# Altium PCB host_board.PcbDoc (part 2 of 7) (continued)
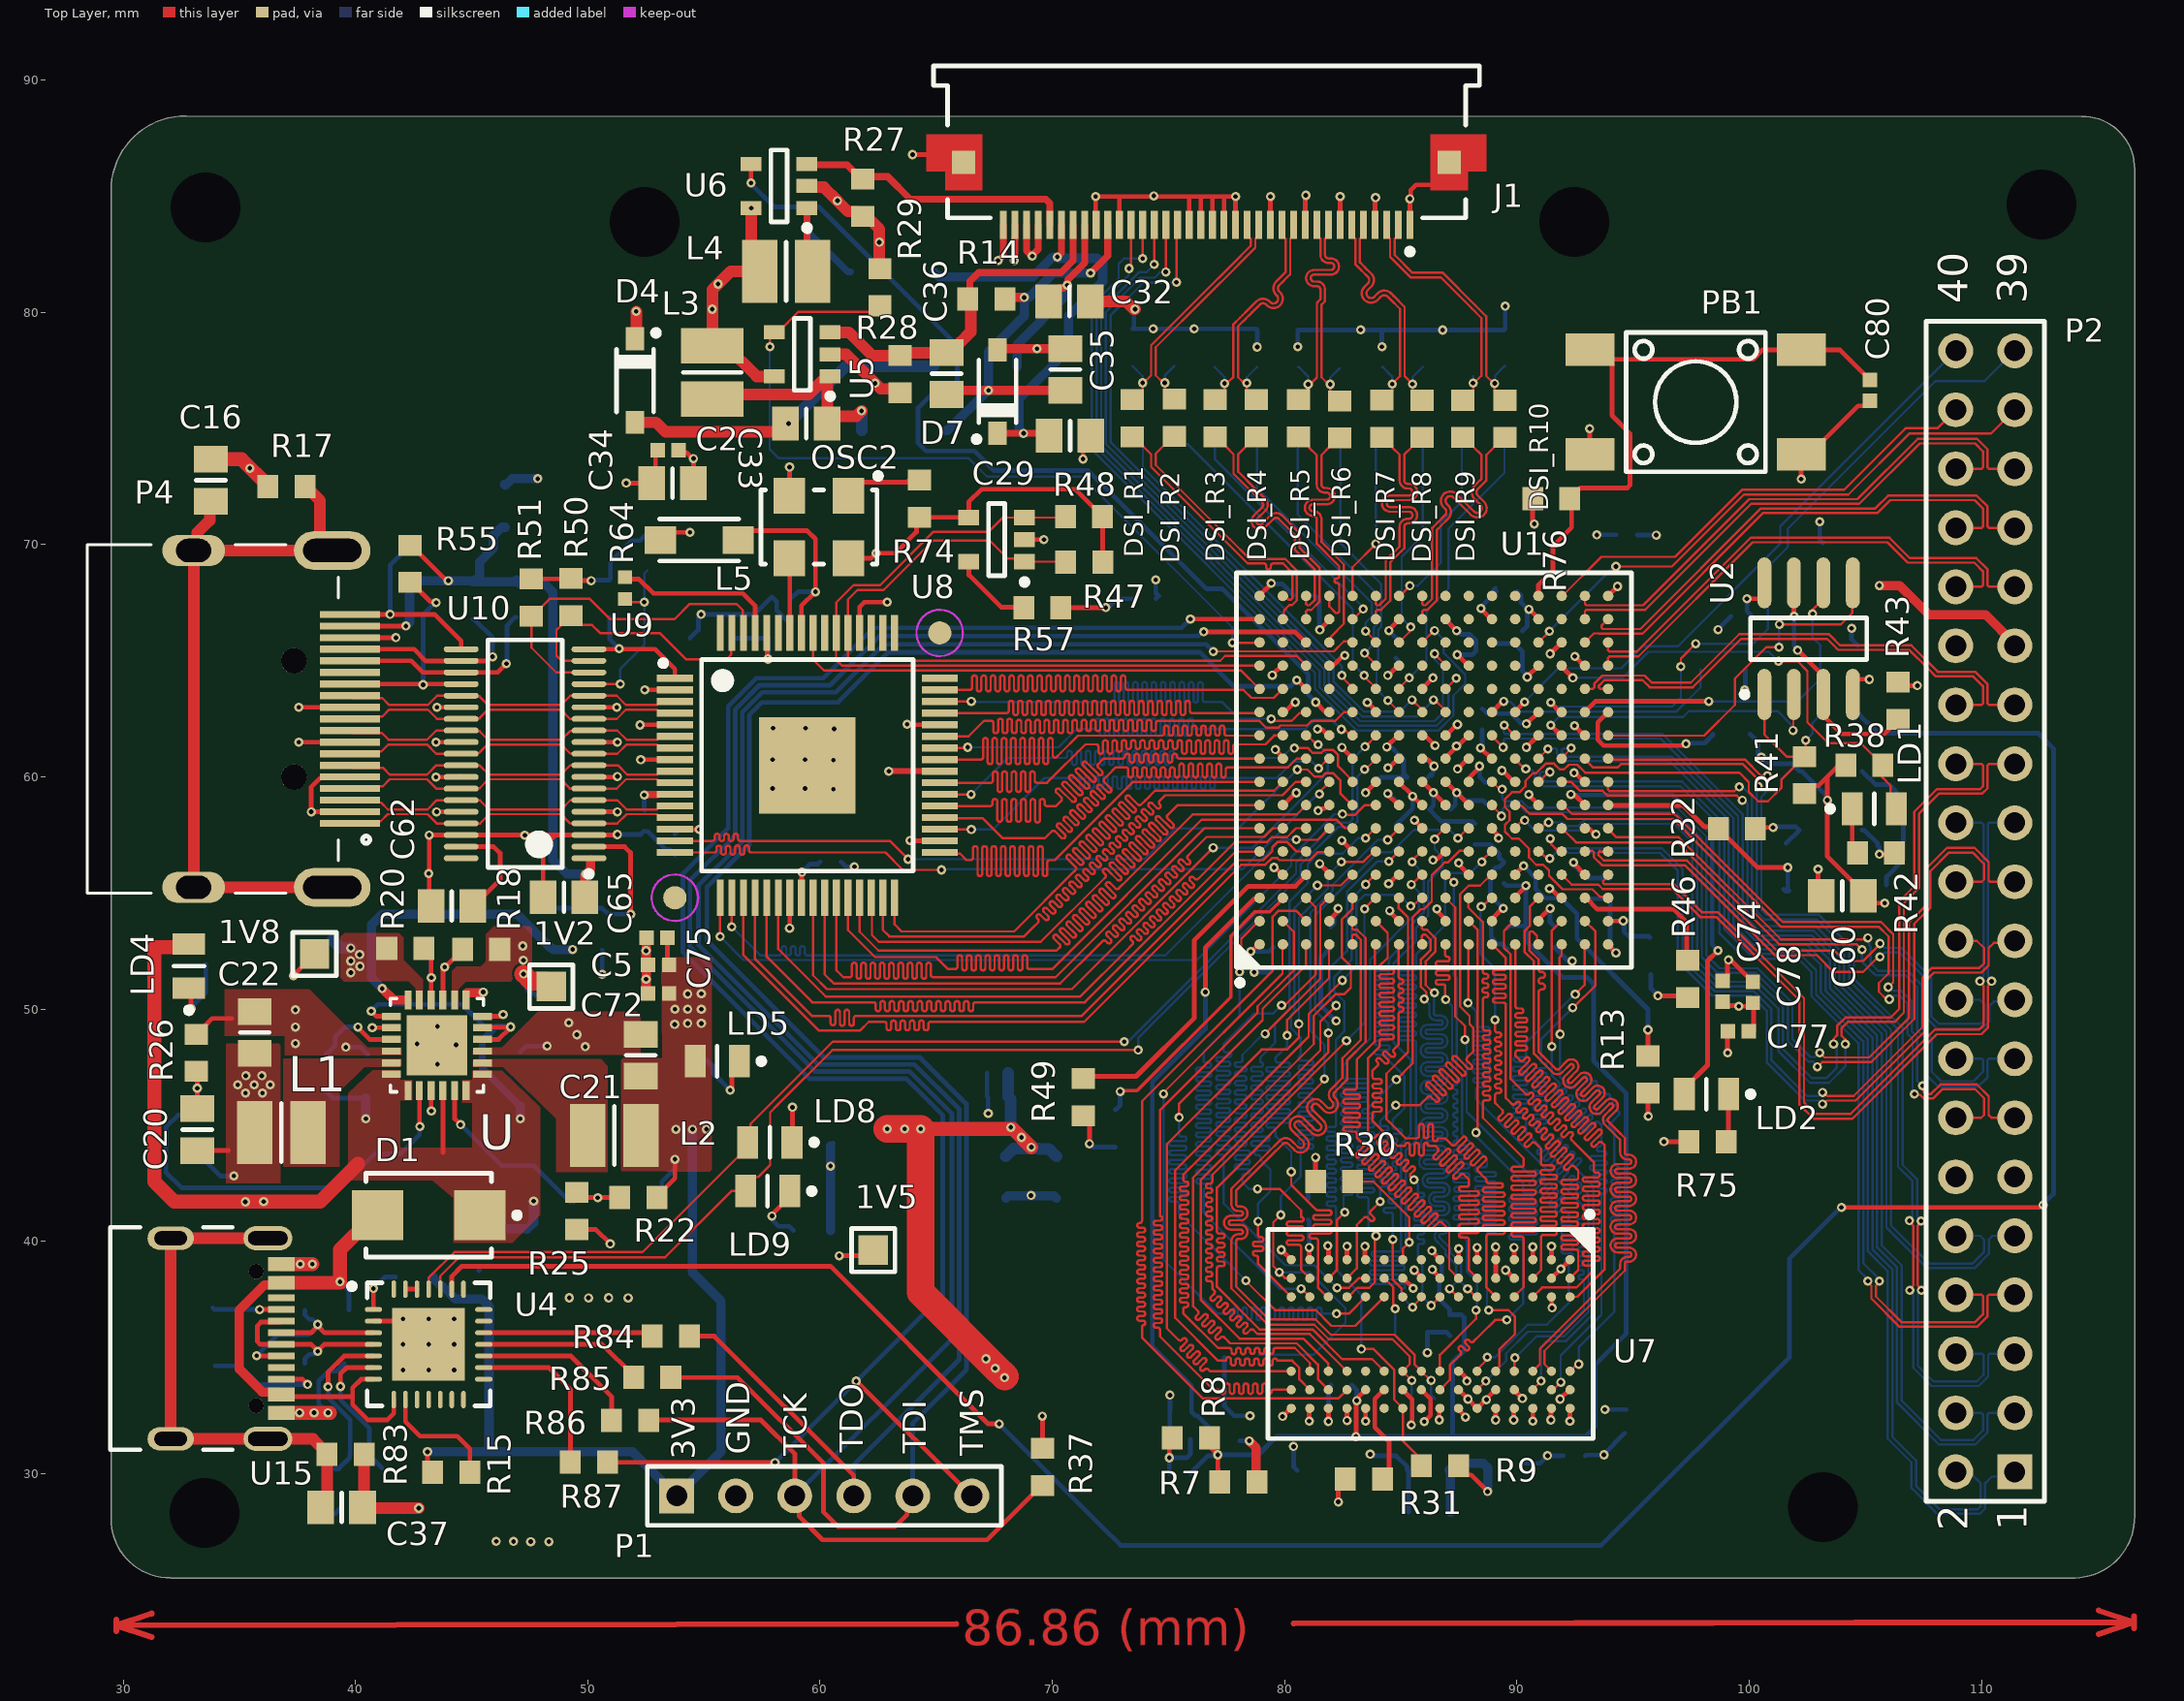
[diagram p0: Top Layer view]
## Nets (pads, with @x,y where several pads share a name; then routed paths per layer and width w, separated by ;. In a path a pad name is that pad's centre, name@x,y a point inside that pad or via, vN(x,y) a via of type N, cw(c..) or ccw(c..) an arc to the next point about the centre after c; other vN are vias at no path point) (continued)
  other v1: 34.77,42.83 35.27,46.39 35.995,46.39 35.28,47.14 35.97,47.14 90.508,67.223 90.737,70.893
3V3: C2.2 C3.2 C5.2 C12.2 C19.2 C21.2 C26.2 C28.2 C34.2 C38.2 C41.2 C42.2 C44.2 C45.2 C53.2 C55.2 C60.2 C72.2 C74.2 C75.2 C76.2 C77.2 C78.2 J1.35 J1.36 L2.2 L3.1 L4.1 LD5.2 OSC1.4 OSC2.4 P1.1 P2.29 R15.1 R16.2 R22.2 R34.1 R35.2 R36.1 R37.2 R38.2 R40.2 R41.2 R43.2 R45.2 R46.2 R47.2 R48.2 R50.2 R51.2 R52.2 R53.2 R58.2 R74.2 U1.B4 U1.B9 U1.B13 U1.D7 U1.D10 U1.E5 U1.F8 U1.F11 U1.G10 U1.H6 U1.J10 U1.L6 U1.L9 U1.N7 U1.N10 U1.R4 U1.R8 U2.8 U5.5 U6.5 U8.4 U9.5 U9.8 U9.11 U9.23 U9.34 U9.44 U.24 | length 302.5
  Top Layer w0.2: v1(43.1,30.95) 43.1,30.3 R15.1@43.325,30.075 ; R51.2@47.575,68.525 49.25,68.525 R50.2@49.275,68.55 49.375,68.45 v1(50.15,68.45) ; v1@52.24,62.25 53.738,62.25 U9.5@53.75,62.262 ; v1@52.3,60.76 52.31,60.75 U9.8@53.75,60.75 ; R22.2@52.971,41.9 52.971,41.95 53.75,42.729 v1(53.75,43.54) ; C75.2@53.425,53.084 53.425,51.986 C5.2@53.5,51.911 ; U9.5@53.75,62.25 U9.5@53.75,62.262 ; U9.5@53.753,62.266 U9.5@53.75,62.262 ; C2.2@53.86,73.97 54.243,73.97 54.503,73.71 v1(54.55,73.71) C34.2@54.55,72.65 ; v1(58.685,53.493) 58.693,53.501 58.693,54.793 U9.23@58.7,54.8 ; OSC2.4@61.62,69.01 OSC2.4@61.22,69.41 62.181,69.41 v1(62.406,69.635) 63.235,69.635 64.147,70.547 64.147,71.047 R74.2@64.28,71.18 66.389,71.18 U8.4@66.4,71.169 66.4,71.84 66.95,72.39 70.979,72.39 71.76,71.609 71.81,71.609 72.16,71.259 R48.2@72.16,71.209 72.16,69.259 R47.2@72.17,69.249 ; v1(63.748,62.266) 63.764,62.25 U9.44@65.15,62.25 ; v1@63.88,57.25 U9.34@65.15,57.25 U9.34@65.1,57.2 ; R37.2@69.575,31.1 v1@69.575,32.485 ; v1@79.46,64.39 79.863,64.793 U1.B13@79.92,64.793 ; v1(79.542,56.107) 79.574,56.107 79.888,55.793 U1.B4@79.92,55.793 ; v1@79.59,61.186 79.92,60.856 U1.B9@79.92,60.793 ; v1(81.41,62.06) 81.41,62.033 81.43,62.013 81.468,62.052 81.594,62.052 81.852,61.793 U1.D10@81.92,61.793 U1.D10@81.967,61.793 ; v1(81.439,58.55) 81.493,58.55 81.583,58.64 81.699,58.64 81.852,58.793 U1.D7@81.92,58.793 ; v1@82.48,57.245 U1.E5@82.905,56.82 ; v1@83.48,59.33 83.92,59.77 U1.F8@83.92,59.793 ; v1@83.55,63.22 83.92,62.85 U1.F11@83.92,62.793 ; v1@84.389,61.305 84.877,61.793 U1.G10@84.92,61.793 ; v1(85.583,58.141) U1.H6@85.905,57.82 ; U1.J10@86.92,61.793 86.944,61.793 v1@87.417,62.266 ; v1(88.424,61.255) U1.L9@88.899,60.78 ; U1.L6@88.905,57.82 88.905,57.752 89.167,57.491 89.167,57.408 v1(89.205,57.37) ; v1(90.399,61.28) U1.N10@90.899,61.78 ; v1@90.43,59.245 90.48,59.245 U1.N7@90.905,58.82 ; v1(92.43,56.32) 92.43,56.295 92.436,56.295 92.92,55.811 U1.R4@92.92,55.793 ; v1@92.449,60.23 92.477,60.202 U1.R8@92.899,59.78 ; v1(96.06,50.58) 97.274,50.58 R46.2@97.349,50.505 ; C74.2@98.849,50.326 99.02,50.155 99.549,50.155 99.574,50.13 100.002,50.13 C78.2@100.149,50.277 100.184,50.242 C77.2@100.184,49.047 ; v1(99.894,67.673) 100.459,67.673 100.644,67.858 U2.8@100.644,68.355 ; R41.2@102.374,59.28 102.724,59.63 102.974,59.63 103.358,60.014 ; R38.2@104.124,60.78 103.358,60.014 ; v1(105.824,54.568) 105.21,54.568 C60.2@104.899,54.88 104.899,55.03 103.983,55.946 103.358,56.571 v1(103.358,59.001) 103.358,60.014 ; R43.2@106.4,64.08 106.254,63.934 v1(107.23,63.934)
  Top Layer w0.3: v1(52.43,59.225) 52.446,59.241 53.028,59.241 53.037,59.25 U9.11@53.75,59.25 ; v1@67.66,82.234 67.885,82.459 J1.36@67.885,83.768 ; v1(68.355,82.234) 68.374,82.253 68.374,82.324 68.38,82.329 68.38,83.225 68.385,83.23 J1.35@68.385,83.768
  Top Layer w0.4: v1(41.15,50.895) 41.639,50.406 U.24@42.213,50.406 ; C72.2@53.425,50.758 C72.2@53.5,50.683 ; v1(105.599,68.244) 106.469,68.244 107.724,66.99 110.164,66.99 111.424,65.73 P2.29@111.424,65.647
  Top Layer w0.5: v1(57.035,84.493) 57.035,82.127 L4.1@57.394,81.768 56.154,81.768 v1(55.609,81.223) 55.36,80.973 v1(55.36,80.138) L3.1@55.36,78.563 55.95,78.563 57.27,77.243 U5.5@58.035,77.243
  Top Layer w0.6: v1(64.328,44.85) 68.302,44.85 v1(69.091,44.062)
  Top Layer w1.2: v1(62.893,44.85) v1(63.64,44.85) v1(64.328,44.85) 64.328,37.812 67.567,34.573 v1@67.953,34.187
  Power w0.8: 59.51,82.26 59.52,82.25 68.14,82.25 ; 68.13,82.459 68.13,86.371 68.599,86.84 94.46,86.84 98.8,82.5 98.8,71
  Power w1.2: v1@53.8,44.85 v1(62.893,44.85) v1(63.64,44.85) v1@64.32,44.85 ; v1(67.14,34.95) 67.15,34.95 74.42,27.68 93.96,27.68 97.17,30.89 97.17,41.14 100.558,44.528 100.558,49.955 100.59,49.987
  Bottom Layer w0.2: v1(50.15,68.45) 50.15,68.496 50.171,68.475 R53.2@50.925,68.475 50.98,68.53 50.98,69.26 51.898,70.178 52.248,70.178 R52.2@52.56,70.49 ; v1(52.43,59.225) C76.2@52.43,58.58 C76.2@52.457,58.553 ; C19.2@53.132,41.668 53.185,41.721 53.185,42.575 53.75,43.14 v1(53.75,43.54) ; v1(83.484,59.323) 84.151,59.99 C3.2@85.27,59.99 85.12,60.14 85.12,60.75 C44.2@84.97,60.9 84.61,61.26 84.431,61.26 v1(84.393,61.298) ; v1(88.424,61.255) 88.424,61.309 88.5,61.385 C55.2@88.5,62.04 ; v1(92.43,56.32) 92.468,56.282 92.468,56.173 C42.2@92.981,55.66 92.996,55.645 C12.2@94.005,55.645 ; C45.2@95.17,70.43 95.18,70.42 v1@95.99,70.42 ; R34.1@95.764,51.505 95.764,50.89 96.06,50.594 v1(96.06,50.58) ; v1(99.799,63.755) 99.824,63.78 R36.1@99.824,64.63 ; v1@99.89,67.68 99.9,67.67 99.9,67.13 C53.2@100.11,66.92 ; R45.2@100.024,61.855 100.374,61.505 100.374,60.995 v1(100.514,60.855) 100.801,60.567 101.831,60.567 OSC1.4@102.149,60.25 102.249,60.25 v1@103.319,59.18 ; v1(104.399,66.405) 104.399,65.93 R40.2@104.674,65.655
  Bottom Layer w0.4: v1(41.15,50.895) 40.7,51.345 40.7,53.65 41.15,54.1 46.95,54.1 48.425,52.625 R58.2@48.475,52.625 48.525,52.575 v1(49.35,52.575) ; v1(43.1,30.95) 45.82,30.95 ; R16.2@43.36,38.47 43.36,38.42 43.71,38.07 43.76,38.07 44.31,37.52 45.45,37.52 45.75,37.22 45.75,31.02 45.82,30.95 ; v1(54.51,44.837) 54.51,38.66 55.74,37.43 55.74,30.96 P1.1@53.83,29.05 51.93,30.95 45.82,30.95
  Bottom Layer w0.5: C28.2@67.997,43.676 68.322,44.001 69.03,44.001 v1(69.091,44.062) ; C38.2@68.09,47.26 68.09,46.241 C41.2@68.13,46.201 68.19,46.141 68.19,44.962 v1(69.091,44.062) ; C26.2@70.172,43.663 69.847,43.988 69.423,43.988 69.404,44.007 69.145,44.007 v1(69.091,44.062)
  other v1: 69.566,32.485 67.942,34.14 67.534,34.54 68.667,44.485 53.79,44.837 55.11,44.837 68.213,44.917 53.74,49.35 54.3,49.39 54.89,49.39 53.75,50 54.3,50 54.89,50 99.549,50.13 54.3,50.66 54.89,50.67 63.87,57.27 82.455,57.27 90.505,59.243 92.452,60.176 52.28,60.74 79.594,61.179 52.25,62.24 87.434,62.259 83.554,63.213 79.464,64.383 95.994,70.413 67.66,82.234
5V_IN: C17.2 C18.2 C24.2 C25.2 D1.1 LD4.2 P2.11 R24.2 U.1 U.6 U.7 U.10 U.12 U.13 U.16 U.17 | length 141.1
  Top Layer w0.2: v1(40.681,49.921) 40.908,49.695 U.1@41.554,49.695 ; U.7@42.213,46.35 42.265,46.402 U.7@42.265,46.494 ; 43.764,43.84 U.10@43.764,46.494 ; U.12@44.755,46.494 U.12@44.799,46.45 ; U.16@45.466,48.704 46.164,48.704 46.672,49.212 46.657,49.227 45.481,49.227 U.17@45.466,49.212
  Top Layer w0.6: LD4.2@32.64,52.71 32.61,52.68 31.34,52.68 31.34,42.58 32.2,41.72 v1(36.05,41.72) 38.48,41.72 40,43.24 40.007,43.24 40.11,43.343
  Power w0.6: v1@35.26,41.72 v1(36.05,41.72) 38.34,41.72 42.77,41.72 46.18,38.31 59.54,38.31 71.24,26.61 95.45,26.61 98.78,29.94 98.78,39.54 103.335,44.095 110.089,44.095 P2.11@111.424,42.76
  Bottom Layer w0.2: R24.2@38.73,46.48 39.03,46.18 C18.2@40.45,46.18 ; v1(40.681,49.921) 40.968,50.208 44.582,50.208 45.547,49.243 46.033,49.243
  Bottom Layer w0.3: v1(46.68,49.243) 46.033,49.243 45.46,48.67 45.46,47.46 C17.2@47.1,45.82
  Bottom Layer w0.4: v1(40.45,45.29) C18.2@40.45,46.18 ; C25.2@45.31,40.55 47.37,40.55 C24.2@47.39,40.53 47.67,40.81 v1(47.67,41.74) ; v1(47.1,45.29) C17.2@47.1,45.82
  other v1: 35.26,41.71
B1_FB: C20.1 R23.1 R26.2 U.8 | length 20.3
  Top Layer w0.2: R26.2@33.15,47.325 33.19,47.285 C20.1@33.19,45.72 ; U.8@42.748,46.494 42.759,46.483 42.759,44.961 v1(42.77,44.95)
  Bottom Layer w0.2: v1(33.19,46.6) 33.19,45.44 R23.1@33.18,45.43 33.17,45.44 32.36,45.44 31.85,44.93 31.85,42.98 32.51,42.32 39.37,42.32 40.83,43.78 41.95,43.78 42.76,44.59 42.76,44.94 v1(42.77,44.95)
B2_FB: C19.1 C23.2 R22.1 R25.2 U.11 | length 11.6
  Top Layer w0.2: U.11@44.272,46.494 44.272,45.283 v1(44.525,45.03) ; R25.2@49.57,41.79 49.68,41.9 R22.1@51.371,41.9
  Bottom Layer w0.2: v1(44.525,45.03) 46.295,43.26 47.69,43.26 C23.2@49.25,41.7 ; C23.2@49.4,41.7 49.61,41.91 51.09,41.91 C19.1@51.332,41.668
  other v1: 50.43,41.89
CFG_CCLK: R40.1 R44.2 U1.R11 U2.6 | length 17.7
  Top Layer w0.1: v1(102.724,67.03) 102.724,67.204 103.184,67.664 U2.6@103.184,68.355 U2.6@103.184,67.555
  Top Layer w0.2: U1.R11@92.899,62.78 93.374,63.255 v1(98.249,63.255)
  Bottom Layer w0.1: v1(98.249,63.255) 102.074,63.255 103.049,64.23 R40.1@103.049,65.68 ; R40.1@103.074,65.655 R40.1@103.049,65.68 ; R44.2@103.16,68.48 103.16,67.64 102.724,67.204 v1(102.724,67.03) 102.71,67.016 102.71,66.019 R40.1@103.049,65.68
CFG_CS: R39.1 R41.1 U1.T3 U2.1 | length 29.3
  Top Layer w0.1: U1.T3@93.905,54.82 93.88,54.845 93.569,54.845 93.246,55.168 91.956,55.168 91.376,55.748 91.376,55.974 91.127,56.223 90.827,56.223 90.51,56.54 90.51,56.915 90.08,57.345 89.781,57.345 89.48,57.646 89.48,57.943 89.677,58.14 89.677,58.505 89.478,58.705 89.478,59.043 89.78,59.345 90.109,59.345 90.369,59.604 90.369,59.836 90.701,60.168 90.825,60.168 91.234,60.576 91.593,60.576 91.839,60.33 92.026,60.33 92.226,60.53 92.593,60.53 92.933,60.19 99.564,60.19 99.974,59.78 99.974,59.358 100.377,58.955 100.799,58.955 101.374,59.53 101.374,59.88 R41.1@102.374,60.88 ; U2.1@100.644,63.555 100.644,61.835 101.599,60.88 R41.1@102.374,60.88 ; v1(102.424,61.58) 102.424,60.93 R41.1@102.374,60.88
  Bottom Layer w0.1: v1(102.424,61.58) 102.724,61.88 102.724,62.33 R39.1@103.124,62.73 ; R39.1@103.349,62.955 R39.1@103.349,63.005
CFG_DONE: LD1.2 R38.1 U1.P13 | length 19.9
  Top Layer w0.1: v1(101.25,64.98) 102.074,64.98 102.499,64.555 102.499,62.355 103.399,61.455 104.799,61.455 105.299,60.955 105.349,60.955 105.749,60.555 R38.1@105.749,60.505 ; R38.1@105.724,60.505 105.724,59.98 106.074,59.63 LD1.2@106.074,58.63
  Top Layer w0.2: U1.P13@91.899,64.78 91.899,64.768 v1(92.399,64.267)
  Bottom Layer w0.1: v1(92.399,64.267) 94.536,64.267 95.659,65.39 100.84,65.39 v1(101.25,64.98)
CFG_MISO: U1.P10 U2.2 | length 13.3
  Top Layer w0.1: v1(101.874,62.005) 101.894,62.025 101.894,63.535 U2.2@101.914,63.555
  Top Layer w0.2: v1(91.449,62.23) U1.P10@91.899,61.78
  Bottom Layer w0.1: v1(91.449,62.23) 91.499,62.23 91.499,62.28 91.799,62.58 97.149,62.58 97.399,62.83 101.224,62.83 101.874,62.18 v1(101.874,62.005)
CFG_MOSI: U1.T10 U2.5 | length 15.3
  Top Layer w0.1: U1.T10@93.899,61.78 98.057,61.78 99.38,63.103 99.38,64.24 100.73,65.59 v1@101.27,65.59 ; v1@101.287,66.57 103.932,66.57 104.424,67.062 104.424,68.325 U2.5@104.454,68.355
  Bottom Layer w0.1: v1(101.274,65.583) 101.282,65.591 101.282,66.564 v1(101.291,66.573)
CLK_25: OSC2.3 U9.58 | length 3.2
  Top Layer w0.2: OSC2.3@58.68,69.41 58.7,69.39 U9.58@58.7,66.2
DDR_A0: U1.K5 U7.N3 | length 34.4
  Top Layer w0.1: U7.N3@82.68,37.62 82.725,37.665 82.78,37.665 83.122,38.007 83.643,38.007 83.88,38.245 83.88,40.198 v2(83.93,40.248) ; v1(84.805,46.97) 85.505,47.67 85.505,53.95 85.865,54.31 85.995,54.31 86.33,54.646 86.33,55.77 86.88,56.32 87.019,56.32 87.519,56.82 U1.K5@87.905,56.82
  Bottom Layer w0.1: v2(83.93,40.248) 83.605,40.573 83.605,41.19 83.605,41.76 83.605,41.81 ccw(c83.505,41.81) 83.505,41.91 83.22,41.91 cw(c83.22,42.01) 83.22,42.11 83.749,42.11 ccw(c83.749,42.21) 83.749,42.31 83.22,42.31 cw(c83.22,42.41) 83.22,42.51 83.749,42.51 ccw(c83.749,42.61) 83.749,42.71 83.22,42.71 cw(c83.22,42.81) 83.22,42.91 83.749,42.91 ccw(c83.749,43.01) 83.749,43.11 83.22,43.11 cw(c83.22,43.21) 83.22,43.31 83.749,43.31 ccw(c83.749,43.41) 83.749,43.51 83.22,43.51 cw(c83.22,43.61) 83.22,43.71 83.749,43.71 ccw(c83.749,43.81) 83.749,43.91 83.22,43.91 cw(c83.22,44.01) 83.22,44.11 83.749,44.11 ccw(c83.749,44.21) 83.749,44.31 83.22,44.31 cw(c83.22,44.41) 83.22,44.51 83.749,44.51 ccw(c83.749,44.61) 83.749,44.71 83.22,44.71 cw(c83.22,44.81) 83.22,44.91 83.749,44.91 ccw(c83.749,45.01) 83.749,45.11 83.195,45.11 cw(c83.195,45.21) 83.195,45.31 83.749,45.31 ccw(c83.749,45.41) 83.749,45.51 83.435,45.51 cw(c83.435,45.61) 83.435,45.71 83.504,45.71 ccw(c83.504,45.81) 83.574,45.739 83.796,45.961 v1(84.805,46.97)
DDR_A1: U1.K6 U7.P7 | length 34.5
  Top Layer w0.1: U7.P7@81.88,34.42 81.88,34.745 80.805,35.82 78.055,35.82 76.38,37.495 76.38,42.653 81.88,48.153 v1(81.88,48.98) ; v1(87.455,57.37) U1.K6@87.905,57.82
  Bottom Layer w0.1: v1(81.88,48.98) 81.88,49.37 81.305,49.945 81.305,54.045 84.03,56.77 84.605,56.77 85.555,57.72 87.105,57.72 v1(87.455,57.37)
DDR_A2: U1.D1 U7.P3 | length 34.7
  Top Layer w0.1: v1(80.103,48.87) 80.103,49.538 81.905,51.34 U1.D1@81.905,52.82 ; v1(80.28,43.003) 80.28,42.445 81.285,41.44 81.335,41.39 ccw(c81.456,41.511) 81.456,41.34 81.914,41.34 cw(c81.914,41.24) 81.914,41.14 81.33,41.14 ccw(c81.33,41.04) 81.33,40.94 81.914,40.94 cw(c81.914,40.84) 81.914,40.74 81.33,40.74 ccw(c81.33,40.64) 81.33,40.54 81.914,40.54 cw(c81.914,40.44) 81.914,40.34 81.159,40.34 ccw(c81.159,40.24) 81.159,40.14 81.33,40.14 cw(c81.33,40.04) 81.43,40.04 81.43,39.79 81.43,38.012 81.822,37.62 U7.P3@81.88,37.62
  Bottom Layer w0.1: v1(80.103,48.87) 80.103,48.418 79.605,47.92 79.605,47.811 ccw(c79.705,47.811) 79.705,47.711 80.13,47.711 cw(c80.13,47.611) 80.23,47.611 cw(c80.13,47.611) 80.13,47.511 79.605,47.511 79.305,47.511 ccw(c79.305,47.411) 79.205,47.411 ccw(c79.305,47.411) 79.305,47.311 79.605,47.311 80.13,47.311 cw(c80.13,47.211) 80.23,47.211 cw(c80.13,47.211) 80.13,47.111 79.605,47.111 79.305,47.111 ccw(c79.305,47.011) 79.205,47.011 ccw(c79.305,47.011) 79.305,46.911 79.605,46.911 80.13,46.911 cw(c80.13,46.811) 80.23,46.811 cw(c80.13,46.811) 80.13,46.711 79.605,46.711 79.305,46.711 ccw(c79.305,46.611) 79.205,46.611 ccw(c79.305,46.611) 79.305,46.511 79.605,46.511 80.13,46.511 cw(c80.13,46.411) 80.23,46.411 cw(c80.13,46.411) 80.13,46.311 79.605,46.311 79.305,46.311 ccw(c79.305,46.211) 79.205,46.211 ccw(c79.305,46.211) 79.305,46.111 79.605,46.111 80.13,46.111 cw(c80.13,46.011) 80.23,46.011 cw(c80.13,46.011) 80.13,45.911 79.605,45.911 79.305,45.911 ccw(c79.305,45.811) 79.205,45.811 ccw(c79.305,45.811) 79.305,45.711 79.605,45.711 80.13,45.711 cw(c80.13,45.611) 80.23,45.611 cw(c80.13,45.611) 80.13,45.511 79.605,45.511 79.305,45.511 ccw(c79.305,45.411) 79.205,45.411 ccw(c79.305,45.411) 79.305,45.311 79.605,45.311 80.13,45.311 cw(c80.13,45.211) 80.23,45.211 cw(c80.13,45.211) 80.13,45.111 79.605,45.111 79.305,45.111 ccw(c79.305,45.011) 79.205,45.011 ccw(c79.305,45.011) 79.305,44.911 79.505,44.911 cw(c79.505,44.811) 79.605,44.811 79.605,44.711 79.605,44.545 79.655,44.495 80.28,43.87 v1(80.28,43.003)
DDR_A3: U1.L4 U7.N2 | length 42.3
  Top Layer w0.1: U7.N2@82.68,38.42 83.105,38.845 83.105,40.72 83.255,40.87 83.419,41.034 cw(c83.49,40.964) 83.561,41.034 83.685,40.91 ccw(c83.755,40.981) 83.826,40.91 ccw(c83.755,40.981) 83.826,41.052 83.702,41.176 cw(c83.773,41.246) 83.702,41.317 83.738,41.353 v1(84.105,41.72) ; v1(84.78,45.87) 85.805,45.87 85.955,46.02 86.087,46.152 86.158,46.223 cw(c86.229,46.152) 86.299,46.223 86.483,46.039 ccw(c86.554,46.11) 86.624,46.039 ccw(c86.554,46.11) 86.624,46.181 86.37,46.435 86.116,46.689 cw(c86.186,46.76) 86.116,46.831 cw(c86.186,46.76) 86.257,46.831 86.511,46.576 86.766,46.322 ccw(c86.837,46.393) 86.907,46.322 ccw(c86.837,46.393) 86.907,46.464 86.653,46.718 ; U1.L4@88.905,55.82 88.405,55.32 87.917,55.32 87.541,54.944 87.541,50.125 87.955,49.711 87.955,49.362 88.105,49.212 88.105,48.17 87.855,47.92 ccw(c87.926,47.849) 87.855,47.779 88.039,47.595 cw(c87.968,47.524) 88.039,47.453 cw(c87.968,47.524) 87.897,47.453 87.643,47.708 87.388,47.962 ccw(c87.318,47.892) 87.247,47.962 ccw(c87.318,47.892) 87.247,47.821 87.501,47.566 87.756,47.312 cw(c87.685,47.241) 87.756,47.171 cw(c87.685,47.241) 87.614,47.171 87.36,47.425 87.106,47.679 ccw(c87.035,47.609) 86.964,47.679 ccw(c87.035,47.609) 86.964,47.538 87.219,47.284 87.473,47.029 cw(c87.402,46.959) 87.473,46.888 cw(c87.402,46.959) 87.332,46.888 87.077,47.142 ; 86.399,46.972 cw(c86.469,47.043) 86.399,47.114 cw(c86.469,47.043) 86.54,47.114 86.794,46.859 87.049,46.605 ccw(c87.119,46.676) 87.19,46.605 ccw(c87.119,46.676) 87.19,46.746 86.936,47.001 ; 86.399,46.972 86.653,46.718 ; 86.399,46.972 86.653,46.718 ; 86.399,46.972 86.653,46.718 ; 86.399,46.972 86.653,46.718 ; 86.399,46.972 86.653,46.718 ; 86.399,46.972 86.653,46.718 ; 86.399,46.972 86.653,46.718 ; 86.399,46.972 86.653,46.718 ; 86.681,47.255 cw(c86.752,47.326) 86.681,47.397 cw(c86.752,47.326) 86.823,47.397 ; 86.681,47.255 86.936,47.001 ; 86.681,47.255 86.936,47.001 ; 86.681,47.255 86.936,47.001 ; 86.681,47.255 86.936,47.001 ; 86.681,47.255 86.936,47.001 ; 86.681,47.255 86.936,47.001 ; 86.681,47.255 86.936,47.001 ; 86.681,47.255 86.936,47.001 ; 86.823,47.397 87.077,47.142 ; 86.823,47.397 87.077,47.142 ; 86.823,47.397 87.077,47.142 ; 86.823,47.397 87.077,47.142 ; 86.823,47.397 87.077,47.142 ; 86.823,47.397 87.077,47.142 ; 86.823,47.397 87.077,47.142 ; 86.823,47.397 87.077,47.142
  Bottom Layer w0.1: v1(84.105,41.72) 84.105,42.07 84.105,42.17 84.105,42.27 cw(c84.205,42.27) 84.205,42.37 84.355,42.37 ccw(c84.355,42.47) 84.455,42.47 ccw(c84.355,42.47) 84.355,42.57 84.205,42.57 cw(c84.205,42.67) 84.105,42.67 cw(c84.205,42.67) 84.205,42.77 84.355,42.77 ccw(c84.355,42.87) 84.455,42.87 ccw(c84.355,42.87) 84.355,42.97 84.205,42.97 cw(c84.205,43.07) 84.105,43.07 cw(c84.205,43.07) 84.205,43.17 84.355,43.17 ccw(c84.355,43.27) 84.455,43.27 ccw(c84.355,43.27) 84.355,43.37 84.205,43.37 cw(c84.205,43.47) 84.105,43.47 cw(c84.205,43.47) 84.205,43.57 84.355,43.57 ccw(c84.355,43.67) 84.455,43.67 ccw(c84.355,43.67) 84.355,43.77 84.205,43.77 cw(c84.205,43.87) 84.105,43.87 cw(c84.205,43.87) 84.205,43.97 84.355,43.97 ccw(c84.355,44.07) 84.455,44.07 ccw(c84.355,44.07) 84.355,44.17 84.205,44.17 cw(c84.205,44.27) 84.105,44.27 cw(c84.205,44.27) 84.205,44.37 84.355,44.37 ccw(c84.355,44.47) 84.455,44.47 ccw(c84.355,44.47) 84.355,44.57 84.205,44.57 cw(c84.205,44.67) 84.105,44.67 cw(c84.205,44.67) 84.205,44.77 84.355,44.77 ccw(c84.355,44.87) 84.455,44.87 ccw(c84.355,44.87) 84.355,44.97 84.155,44.97 cw(c84.155,45.02) 84.105,45.02 84.105,45.195 v1(84.78,45.87)
DDR_A4: U1.G5 U7.P8 | length 34.2
  Top Layer w0.1: U7.P8@81.88,33.62 81.43,34.07 81.43,34.706 80.516,35.62 77.815,35.62 77.655,35.62 77.43,35.845 77.395,35.88 ccw(c77.324,35.81) 77.253,35.88 77.182,35.809 cw(c77.111,35.88) 77.041,35.809 cw(c77.111,35.88) 77.041,35.951 77.227,36.137 ccw(c77.156,36.208) 77.227,36.278 ccw(c77.156,36.208) 77.085,36.278 76.899,36.092 cw(c76.829,36.163) 76.758,36.092 cw(c76.829,36.163) 76.758,36.234 76.944,36.42 ccw(c76.873,36.49) 76.944,36.561 ccw(c76.873,36.49) 76.803,36.561 76.616,36.375 cw(c76.546,36.446) 76.475,36.375 cw(c76.546,36.446) 76.475,36.516 76.661,36.703 ccw(c76.59,36.773) 76.661,36.844 ccw(c76.59,36.773) 76.52,36.844 76.334,36.658 cw(c76.263,36.729) 76.192,36.658 cw(c76.263,36.729) 76.192,36.799 76.263,36.87 ccw(c76.193,36.941) 76.263,37.012 76.055,37.22 76.055,37.226 76.055,37.641 76.055,42.753 81.53,48.228 81.53,49.474 82.214,50.157 v1(82.214,50.16) ; v1(84.48,56.37) 84.489,56.37 84.911,56.793 U1.G5@84.92,56.793
  Bottom Layer w0.1: v1(82.214,50.16) 81.93,50.444 81.93,51.763 82.68,52.513 82.68,55.065 83.985,56.37 v1(84.48,56.37)
DDR_A5: U1.H4 U7.P2 | length 34.3
  Top Layer w0.1: U7.P2@81.88,38.42 82.255,38.795 82.255,40.938 v1(82.582,41.265) ; v1(85.45,55.37) 85.474,55.37 85.896,55.793 U1.H4@85.92,55.793
  Bottom Layer w0.1: v1(82.582,41.265) 82.53,41.318 82.53,41.657 82.53,41.907 cw(c82.63,41.907) 82.63,42.007 82.82,42.007 ccw(c82.82,42.107) 82.82,42.207 82.521,42.207 cw(c82.521,42.307) 82.521,42.407 82.82,42.407 ccw(c82.82,42.507) 82.82,42.607 82.521,42.607 cw(c82.521,42.707) 82.521,42.807 82.82,42.807 ccw(c82.82,42.907) 82.82,43.007 82.521,43.007 cw(c82.521,43.107) 82.521,43.207 82.82,43.207 ccw(c82.82,43.307) 82.82,43.407 82.521,43.407 cw(c82.521,43.507) 82.521,43.607 82.82,43.607 ccw(c82.82,43.707) 82.82,43.807 82.521,43.807 cw(c82.521,43.907) 82.521,44.007 82.82,44.007 ccw(c82.82,44.107) 82.82,44.207 82.521,44.207 cw(c82.521,44.307) 82.521,44.407 82.82,44.407 ccw(c82.82,44.507) 82.82,44.607 82.521,44.607 cw(c82.521,44.707) 82.521,44.807 82.82,44.807 ccw(c82.82,44.907) 82.82,45.007 82.521,45.007 cw(c82.521,45.107) 82.521,45.207 82.795,45.207 ccw(c82.795,45.307) 82.795,45.407 82.521,45.407 cw(c82.521,45.507) 82.521,45.607 83.035,45.607 ccw(c83.035,45.707) 83.035,45.807 82.521,45.807 cw(c82.521,45.907) 82.521,46.007 83.459,46.007 ccw(c83.459,46.107) 83.459,46.207 82.521,46.207 cw(c82.521,46.307) 82.521,46.407 83.505,46.407 ccw(c83.505,46.507) 83.505,46.607 82.521,46.607 cw(c82.521,46.707) 82.521,46.807 83.505,46.807 ccw(c83.505,46.907) 83.505,47.007 82.63,47.007 cw(c82.63,47.107) 82.53,47.107 82.53,47.595 82.54,47.605 82.59,47.655 82.605,47.67 83.517,48.583 83.68,48.745 83.68,52.143 85.778,54.242 85.778,55.042 v1(85.45,55.37)
DDR_A6: U1.H3 U7.R8 | length 34.2
  Top Layer w0.1: 79.682,34.87 ccw(c79.582,34.87) 79.582,34.97 ccw(c79.582,34.87) 79.482,34.87 79.482,34.762 cw(c79.382,34.762) 79.382,34.662 cw(c79.382,34.762) 79.282,34.762 79.282,34.87 ccw(c79.182,34.87) 79.182,34.97 ccw(c79.182,34.87) 79.082,34.87 79.082,34.762 cw(c78.982,34.762) 78.982,34.662 cw(c78.982,34.762) 78.882,34.762 78.882,34.87 ccw(c78.782,34.87) 78.782,34.97 ccw(c78.782,34.87) 78.682,34.87 78.682,34.762 cw(c78.582,34.762) 78.582,34.662 cw(c78.582,34.762) 78.482,34.762 78.482,34.87 ccw(c78.382,34.87) 78.382,34.97 ccw(c78.382,34.87) 78.282,34.87 78.282,34.762 cw(c78.182,34.762) 78.182,34.662 cw(c78.182,34.762) 78.082,34.762 78.082,34.87 ccw(c77.982,34.87) 77.982,34.97 ccw(c77.982,34.87) 77.882,34.87 77.882,34.762 cw(c77.782,34.762) 77.782,34.662 cw(c77.782,34.762) 77.682,34.762 77.682,34.87 77.682,34.922 ccw(c77.582,34.922) 77.582,35.022 ccw(c77.582,34.922) 77.482,34.922 cw(c77.43,34.922) 77.43,34.87 77.382,34.87 77.13,34.87 75.28,36.72 75.28,43.07 81.03,48.82 81.03,49.795 v1(82.48,51.245) ; 79.682,34.873 79.682,34.902 ; 79.682,34.905 ccw(c79.717,34.905) 79.717,34.87 79.779,34.87 80.325,34.87 80.63,34.565 80.63,34.07 U7.R8@81.08,33.62 ; v1(85.42,54.44) 85.503,54.44 85.883,54.82 U1.H3@85.905,54.82
  Bottom Layer w0.1: v1(82.48,51.245) 83.085,51.85 83.085,54.575 83.43,54.92 84.94,54.92 v1(85.42,54.44)
DDR_A7: U1.D3 U7.R2 | length 34.5
  Top Layer w0.1: v1(78.83,42.27) 79.78,42.27 80.705,41.345 80.705,41.157 80.705,41.057 80.71,41.057 cw(c80.71,40.957) 80.81,40.957 cw(c80.71,40.957) 80.71,40.857 80.705,40.857 80.186,40.857 ccw(c80.186,40.757) 80.086,40.757 ccw(c80.186,40.757) 80.186,40.657 80.705,40.657 80.71,40.657 cw(c80.71,40.557) 80.81,40.557 cw(c80.71,40.557) 80.71,40.457 80.705,40.457 80.186,40.457 ccw(c80.186,40.357) 80.086,40.357 ccw(c80.186,40.357) 80.186,40.257 80.705,40.257 80.71,40.257 cw(c80.71,40.157) 80.81,40.157 cw(c80.71,40.157) 80.71,40.057 80.705,40.057 80.186,40.057 ccw(c80.186,39.957) 80.086,39.957 ccw(c80.186,39.957) 80.186,39.857 80.605,39.857 cw(c80.605,39.757) 80.705,39.757 80.705,39.657 80.705,39.52 80.705,38.795 U7.R2@81.08,38.42 ; v1(79.155,48.945) 81.53,51.32 81.53,54.445 U1.D3@81.905,54.82
  Bottom Layer w0.1: v1(78.83,42.27) 78.455,42.27 78.18,42.545 78.18,42.72 78.18,42.82 cw(c78.28,42.82) 78.28,42.92 78.405,42.92 ccw(c78.405,43.02) 78.505,43.02 ccw(c78.405,43.02) 78.405,43.12 78.18,43.12 77.955,43.12 cw(c77.955,43.22) 77.855,43.22 cw(c77.955,43.22) 77.955,43.32 78.18,43.32 78.405,43.32 ccw(c78.405,43.42) 78.505,43.42 ccw(c78.405,43.42) 78.405,43.52 78.18,43.52 77.955,43.52 cw(c77.955,43.62) 77.855,43.62 cw(c77.955,43.62) 77.955,43.72 78.18,43.72 78.405,43.72 ccw(c78.405,43.82) 78.505,43.82 ccw(c78.405,43.82) 78.405,43.92 78.18,43.92 77.955,43.92 cw(c77.955,44.02) 77.855,44.02 cw(c77.955,44.02) 77.955,44.12 78.18,44.12 78.255,44.12 ccw(c78.255,44.22) 78.355,44.22 ccw(c78.255,44.22) 78.255,44.32 78.18,44.32 77.955,44.32 cw(c77.955,44.42) 77.855,44.42 cw(c77.955,44.42) 77.955,44.52 78.18,44.52 78.255,44.52 ccw(c78.255,44.62) 78.355,44.62 ccw(c78.255,44.62) 78.255,44.72 78.18,44.72 77.955,44.72 cw(c77.955,44.82) 77.855,44.82 cw(c77.955,44.82) 77.955,44.92 78.18,44.92 78.255,44.92 ccw(c78.255,45.02) 78.355,45.02 ccw(c78.255,45.02) 78.255,45.12 78.18,45.12 77.955,45.12 cw(c77.955,45.22) 77.855,45.22 cw(c77.955,45.22) 77.955,45.32 78.18,45.32 78.255,45.32 ccw(c78.255,45.42) 78.355,45.42 ccw(c78.255,45.42) 78.255,45.52 78.18,45.52 77.955,45.52 cw(c77.955,45.62) 77.855,45.62 cw(c77.955,45.62) 77.955,45.72 78.18,45.72 78.255,45.72 ccw(c78.255,45.82) 78.355,45.82 ccw(c78.255,45.82) 78.255,45.92 78.18,45.92 77.955,45.92 cw(c77.955,46.02) 77.855,46.02 cw(c77.955,46.02) 77.955,46.12 78.18,46.12 78.255,46.12 ccw(c78.255,46.22) 78.355,46.22 ccw(c78.255,46.22) 78.255,46.32 78.18,46.32 77.955,46.32 cw(c77.955,46.42) 77.855,46.42 cw(c77.955,46.42) 77.955,46.52 78.18,46.52 78.255,46.52 ccw(c78.255,46.62) 78.355,46.62 ccw(c78.255,46.62) 78.255,46.72 78.18,46.72 77.955,46.72 cw(c77.955,46.82) 77.855,46.82 cw(c77.955,46.82) 77.955,46.92 78.18,46.92 78.255,46.92 ccw(c78.255,47.02) 78.355,47.02 ccw(c78.255,47.02) 78.255,47.12 78.18,47.12 77.955,47.12 cw(c77.955,47.22) 77.855,47.22 cw(c77.955,47.22) 77.955,47.32 78.18,47.32 78.255,47.32 ccw(c78.255,47.42) 78.355,47.42 ccw(c78.255,47.42) 78.255,47.52 78.18,47.52 77.955,47.52 cw(c77.955,47.62) 77.855,47.62 cw(c77.955,47.62) 77.955,47.72 78.08,47.72 ccw(c78.08,47.82) 78.18,47.82 78.18,47.92 78.18,48.02 78.18,48.045 79.08,48.945 v1(79.155,48.945)